# Altium PCB CC_V1.4.PcbDoc (part 3 of 8)
Units mm, origin at the board's own origin, x right, y up, seen from the top; angles counter-clockwise.
Board outline 145 x 123.85 mm, 4 copper layers (Top, GND, Power Plane, Bottom), stack 1.573 mm thick; 334 components, 307 nets, 1570 pads, 1725 vias.
Unrouted connection lines stored in the file: 33.
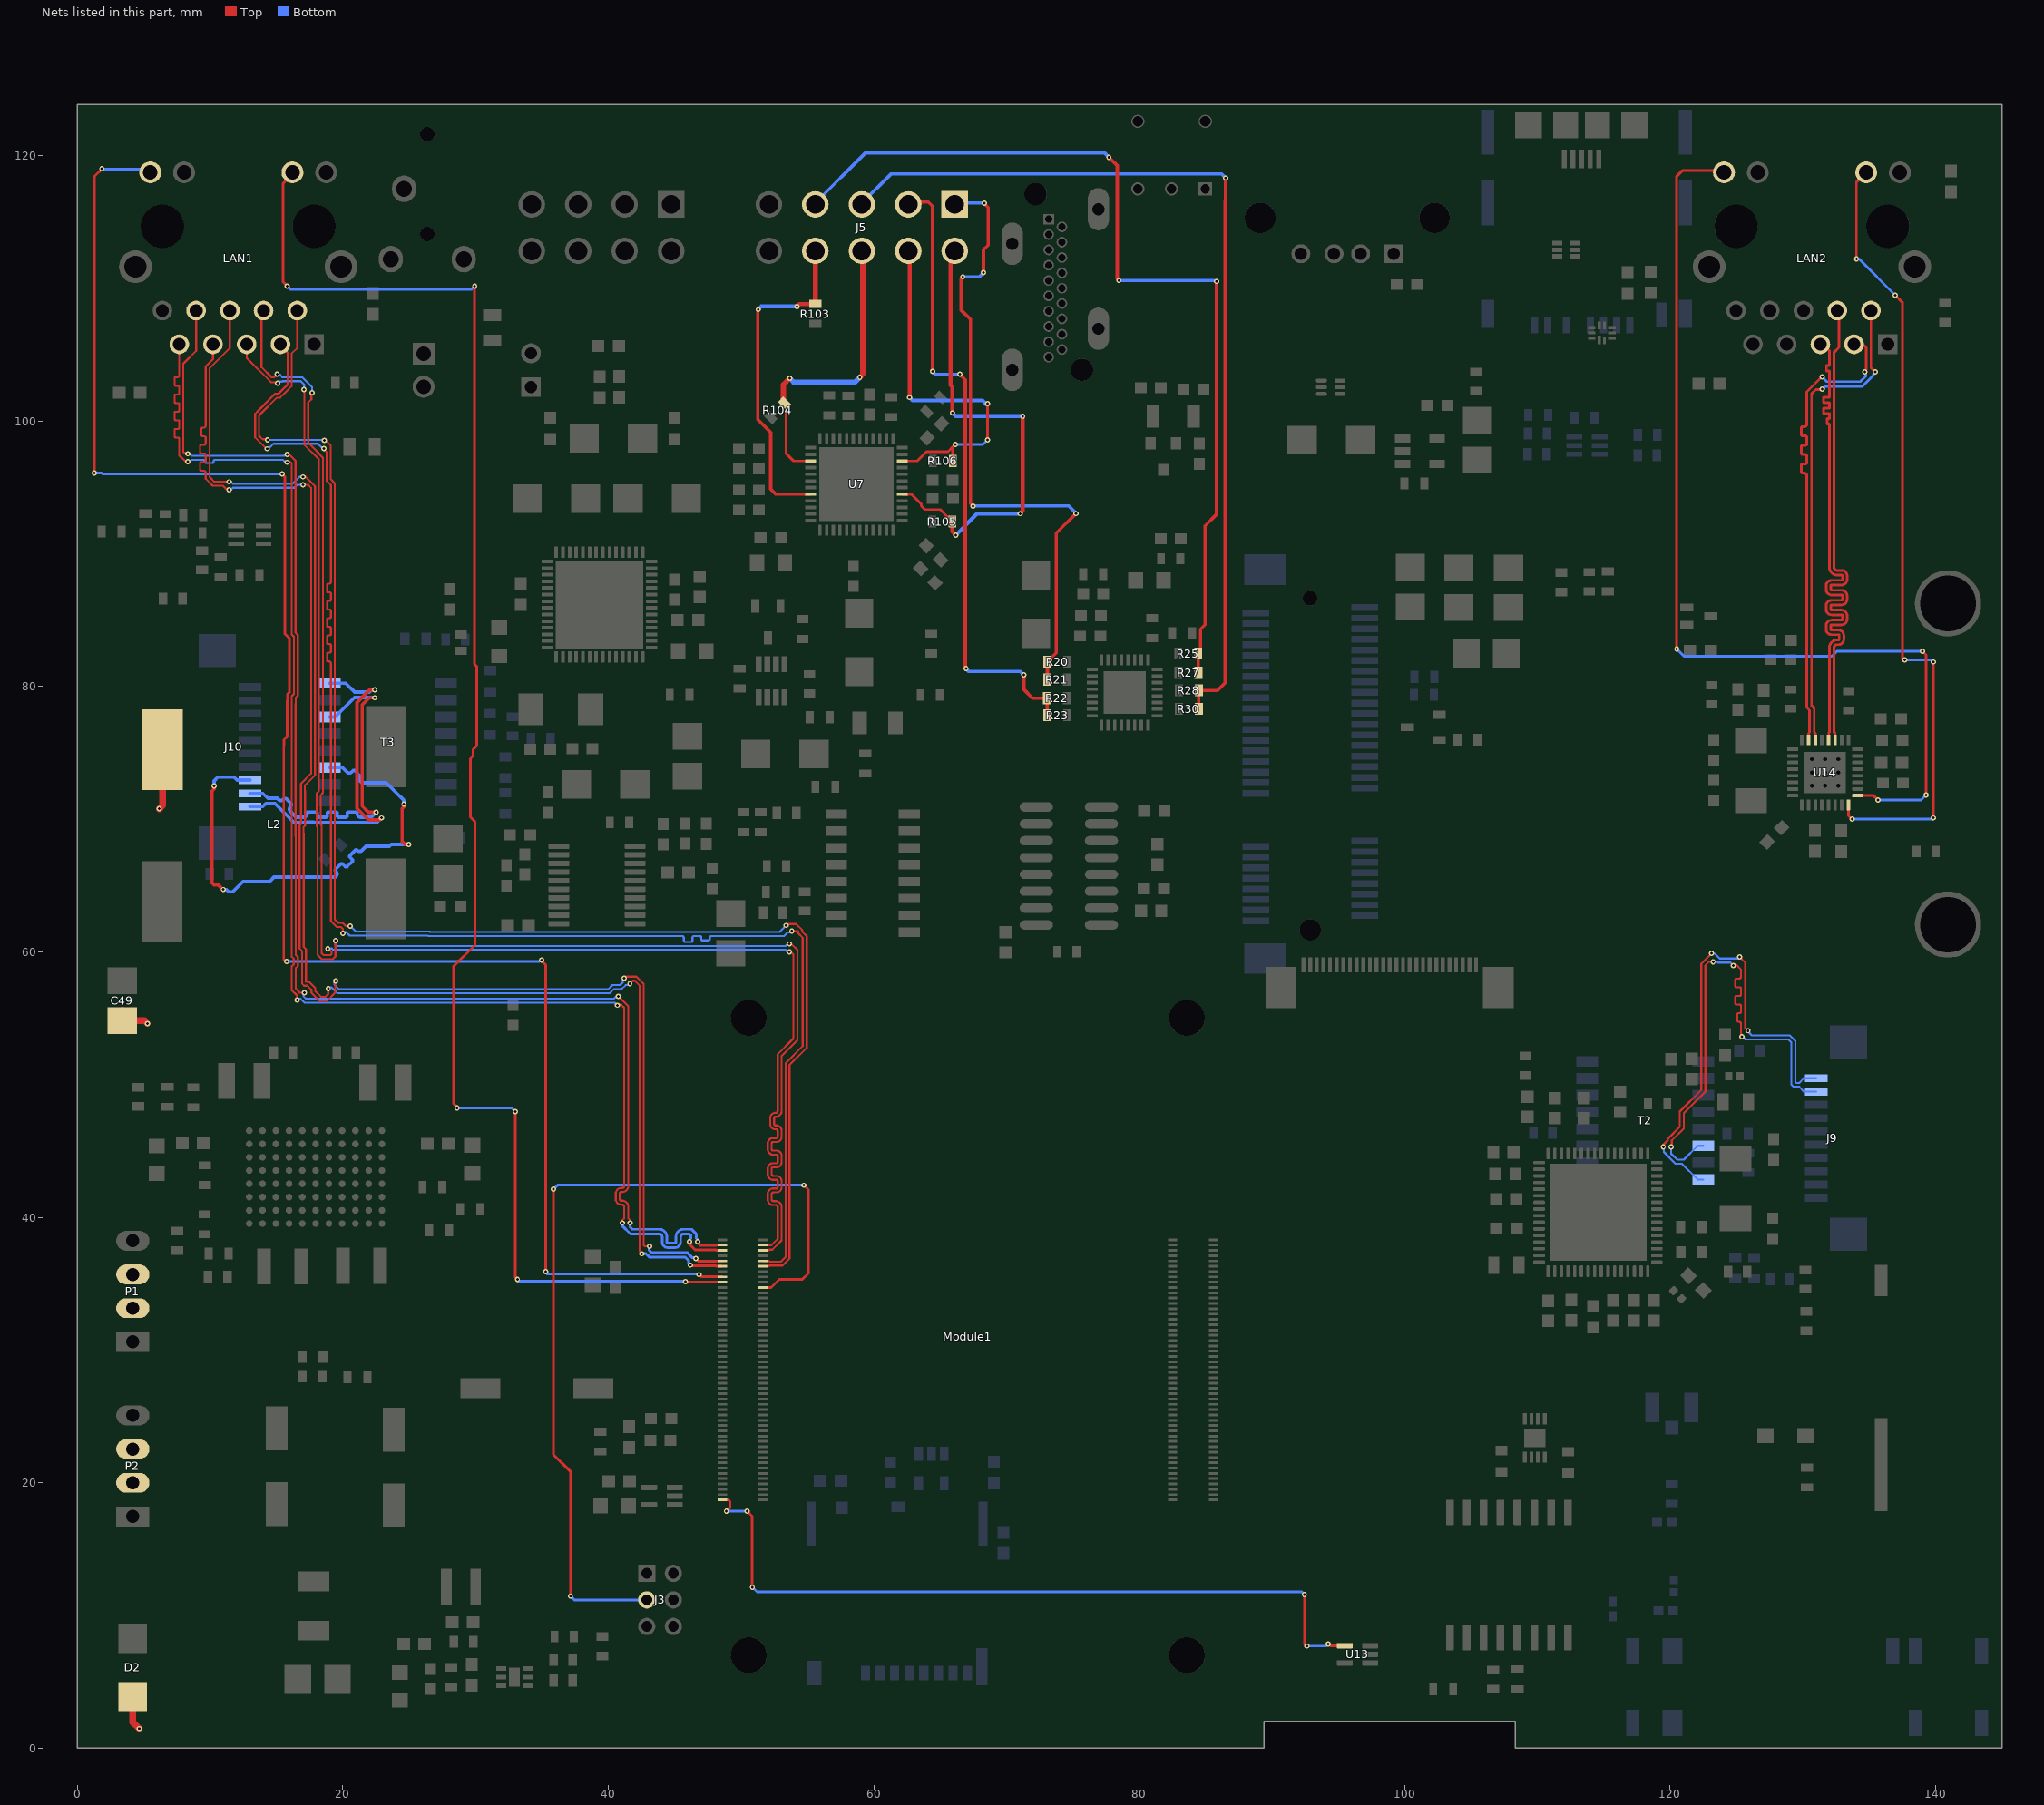
[diagram p5: the nets of this part, all layers, seen from the top]

## Via types
v1: diameter 0.4, hole 0.2, Top to Bottom, 1319 vias
v2: diameter 0.7, hole 0.4, Top to Bottom, 378 vias
v3: diameter 1.27, hole 0.711, Top to Bottom, 28 vias

## Nets (pads, with @x,y where several pads share a name; then routed paths per layer and width w, separated by ;. In a path a pad name is that pad's centre, name@x,y a point inside that pad or via, vN(x,y) a via of type N, cw(c..) or ccw(c..) an arc to the next point about the centre after c; other vN are vias at no path point) (continued)
Coil_RX_LAN2_P: J10.8 T3.11 | length 39.2
  Top w0.254: v1(10.3,72.5) 10.3,72.278 10.127,72.105 10.127,71.576 10.127,66.023 10.127,65.231 10.307,65.051 10.568,65.051 10.609,65.051 10.96,64.7 v1(11,64.7) ; v1(24.6,71.15) 24.6,70.928 24.459,70.788 24.459,70.4 24.459,69.465 24.459,68.34 24.7,68.1 v1(24.975,68.1)
  Bottom w0.254: v1(10.3,72.5) 10.3,72.888 10.584,73.172 11.807,73.172 12.03,72.949 J10.8@13.007,72.949 ; v1(11,64.7) 11.222,64.7 11.395,64.527 11.7,64.527 12.092,64.919 12.473,65.3 14.487,65.3 14.818,65.631 19.014,65.631 19.431,65.631 19.492,65.692 ccw(c19.312,65.871) 19.492,66.051 19.466,66.077 cw(c19.546,66.157) 19.466,66.237 19.839,66.61 cw(c19.919,66.531) 19.999,66.61 20.175,66.434 ccw(c20.255,66.514) 20.335,66.434 20.708,66.808 ccw(c20.628,66.888) 20.708,66.968 20.558,67.117 cw(c20.638,67.197) 20.558,67.277 20.931,67.651 cw(c21.011,67.571) 21.091,67.651 ; T3.11@19.022,73.895 19.971,73.895 20.22,73.647 20.31,73.557 ccw(c20.489,73.736) 20.669,73.557 20.763,73.651 cw(c20.843,73.571) 20.923,73.651 21.296,73.278 cw(c21.216,73.198) 21.296,73.118 ccw(c21.524,73.006) 21.523,72.752 21.787,72.752 21.967,72.752 22.85,72.752 23.267,72.752 23.865,72.154 24.581,71.438 24.581,71.169 v1(24.6,71.15) ; 21.091,67.651 ccw(c21.271,67.83) 21.451,67.651 21.754,67.954 23.506,67.954 23.65,68.098 24.069,68.098 24.075,68.104 24.721,68.104 24.744,68.081 24.956,68.081 v1(24.975,68.1)
Coil_TX_LAN1_N: J9.9 T2.14 | length 37.4
  Top w0.15: v1(120.075,45.315) 120.123,45.363 120.123,45.687 120.125,45.689 120.125,45.798 121.024,46.697 121.024,47.85 122.649,49.475 122.649,58.98 122.931,59.262 123.214,59.262 v1(123.235,59.242) ; v1(124.753,58.971) 124.768,58.986 125.023,58.986 125.25,58.758 125.333,58.675 125.333,58.135 cw(c125.183,58.135) 125.183,57.985 125,57.985 ccw(c125,57.887) 124.902,57.887 124.902,57.432 ccw(c125,57.432) 125,57.335 125.236,57.335 cw(c125.236,57.237) 125.333,57.237 125.333,56.782 cw(c125.236,56.782) 125.236,56.685 125,56.685 ccw(c125,56.587) 124.902,56.587 124.902,56.132 ccw(c125,56.132) 125,56.035 125.236,56.035 cw(c125.236,55.937) 125.333,55.937 125.333,55.482 cw(c125.236,55.482) 125.236,55.385 125.142,55.385 ccw(c125.142,55.287) 125.045,55.287 125.045,54.832 ccw(c125.142,54.832) 125.142,54.735 125.183,54.735 cw(c125.183,54.585) 125.333,54.585 125.333,53.996 125.333,53.814 125.363,53.784 125.363,53.649 v1(125.411,53.601)
  Bottom w0.15: v1(120.075,45.315) 120.075,44.797 120.527,44.345 121.033,44.345 122.078,45.39 T2.14@122.5,45.39 ; v1(123.235,59.242) 123.246,59.253 123.547,59.253 123.601,59.2 124.54,59.2 124.753,58.987 v1(124.753,58.971) ; v1(125.411,53.601) 125.478,53.601 125.677,53.402 128.902,53.402 129.125,53.179 129.125,49.999 129.298,49.826 129.719,49.826 130.069,49.476 J9.9@130.994,49.476
Coil_TX_LAN1_P: J9.10 T2.16 | length 37.2
  Top w0.15: v1(119.475,45.315) 119.523,45.363 119.523,45.511 119.825,45.813 119.825,45.922 120.724,46.821 120.724,47.974 122.349,49.599 122.349,59.104 123.118,59.873 v1(123.118,59.907) ; v1(125.233,59.624) 125.633,59.224 125.633,54.29 125.86,54.064 v1(125.862,54.064)
  Bottom w0.15: v1(119.475,45.315) 119.523,45.267 119.523,44.925 120.402,44.045 120.882,44.045 122.078,42.85 T2.16@122.5,42.85 ; v1(123.118,59.907) 123.165,59.859 123.365,59.859 123.725,59.5 v1@125.175,59.5 ; v1(125.862,54.064) 125.862,53.996 125.978,53.881 125.978,53.878 126.154,53.702 129.026,53.702 129.425,53.303 129.425,50.214 129.513,50.126 129.719,50.126 130.069,50.476 J9.10@130.994,50.476
Coil_TX_LAN2_N: J10.9 T3.14 | length 26.6
  Top w0.254: v1(22.4,79.15) 21.993,79.15 21.465,78.622 21.465,70.985 21.925,70.525 v1(22.5,70.525)
  Bottom w0.254: J10.9@13.007,71.949 13.984,71.949 14.357,71.576 15.067,71.576 15.157,71.486 ccw(c15.337,71.666) 15.516,71.486 15.57,71.54 cw(c15.65,71.46) 15.73,71.54 16.103,71.167 cw(c16.023,71.087) 16.103,71.007 16.05,70.953 ccw(c16.229,70.773) 16.05,70.594 16.489,70.154 16.726,70.154 16.936,70.154 17.146,70.154 17.243,70.251 ccw(c17.063,70.43) 17.317,70.43 17.317,70.437 cw(c17.43,70.437) 17.43,70.55 17.958,70.55 cw(c17.958,70.437) 18.071,70.437 18.071,70.267 ccw(c18.184,70.267) 18.184,70.154 18.712,70.154 ccw(c18.712,70.267) 18.825,70.267 18.825,70.437 cw(c18.938,70.437) 18.938,70.55 19.466,70.55 cw(c19.466,70.437) 19.579,70.437 19.579,70.267 ccw(c19.692,70.267) 19.692,70.154 20.22,70.154 ccw(c20.22,70.267) 20.333,70.267 20.333,70.437 cw(c20.446,70.437) 20.446,70.55 20.974,70.55 cw(c20.974,70.437) 21.087,70.437 21.087,70.408 ccw(c21.341,70.408) 21.341,70.154 21.634,70.154 21.761,70.154 22.129,70.154 v1(22.5,70.525) ; T3.14@19.022,77.705 19.418,77.705 20.886,79.173 22.155,79.173 22.178,79.15 v1(22.4,79.15)
Coil_TX_LAN2_P: J10.10 T3.16 | length 26.5
  Top w0.254: v1(22.4,79.75) 22.022,79.75 21.061,78.789 21.061,70.818 21.935,69.944 22.768,69.944 v1(22.924,70.101)
  Bottom w0.254: J10.10@13.007,70.949 13.984,70.949 14.207,71.172 14.9,71.172 16.322,69.75 17.313,69.75 17.329,69.766 17.811,69.766 17.827,69.75 20.467,69.75 22.574,69.75 v1(22.924,70.101) ; T3.16@19.022,80.245 20.222,80.245 20.89,79.577 22.005,79.577 22.178,79.75 v1(22.4,79.75)
DI1: J5.1 R20.1 R21.1 | length 48.6
  Top w0.254: v1(66.707,110.867) 66.59,110.75 66.59,108.36 67.298,107.652 67.298,103.273 67.298,102.188 67.294,102.184 67.294,93.781 v1(67.475,93.6) ; v1(68.263,111.18) 68.263,112.911 68.617,113.265 68.617,116.094 68.34,116.37 v1(68.34,116.41) ; R21.1@73.058,80.521 73.083,80.546 R20.1@73.083,81.867 73.75,82.534 73.75,91.55 v1(75.225,93.025)
  Bottom w0.254: J5.1@66.1,116.43 68.32,116.43 v1(68.34,116.41) ; v1(66.707,110.867) 67.95,110.867 v1(68.263,111.18) ; v1(67.475,93.6) 67.478,93.603 74.697,93.603 75.275,93.025 v1(75.225,93.025)
DI2: J5.2 R22.1 R23.1 | length 48
  Top w0.254: J5.2@62.092,116.53 J5.2@62.165,116.602 ; J5.2@62.673,116.503 64.117,116.503 64.425,116.195 v1(64.425,103.75) v1@64.35,103.825 ; v1(66.475,103.525) 66.894,103.106 66.894,102.355 66.89,102.351 66.89,81.41 v1(66.95,81.35) ; v1(71.3,80.875) 71.3,79.783 71.959,79.124 R22.1@73.056,79.124 73.056,77.855 R23.1@73.083,77.828
  Bottom w0.254: v1(64.425,103.75) 64.65,103.525 v1(66.475,103.525) ; v1(66.95,81.35) 67.175,81.125 71.05,81.125 v1(71.3,80.875)
DI3: J5.3 R28.2 R30.2 | length 70.1
  Top w0.254: R30.2@84.489,78.311 84.488,78.312 R28.2@84.488,79.708 85.908,79.708 86.477,80.277 86.477,116.568 86.515,116.606 v1(86.515,118.318)
  Bottom w0.254: J5.3@59.1,116.43 61.285,118.615 86.218,118.615 v1(86.515,118.318)
DI4: J5.4 R25.2 R27.2 | length 70.9
  Top w0.254: v1(77.712,119.88) 78.34,119.252 78.34,110.75 78.468,110.622 v1(78.468,110.591) ; R27.2@84.462,81.029 84.438,81.053 R25.2@84.438,82.477 84.611,82.65 84.611,84.307 84.96,84.656 84.96,92.11 85.825,92.975 v1(85.825,110.524)
  Bottom w0.254: J5.4@55.6,116.43 59.378,120.207 77.385,120.207 v1(77.712,119.88) ; v1(78.468,110.591) 85.719,110.591 85.785,110.524 v1(85.825,110.524)
DO1: J5.10 R105.1 U7.17 | length 36.8
  Top w0.2: U7.17@62.155,94.493 62.827,94.493 63.577,93.743 63.577,93.614 63.855,93.337 65.008,93.337 65.57,92.775 65.72,92.775 65.92,92.575 R105.1@65.92,92.425 ; 65.92,102.574 65.921,102.575
  Top w0.3: R105.1@65.92,92.425 65.92,91.677 66.17,91.427 v1(66.17,91.4) ; v1(65.92,100.615) 65.92,102.574 65.787,102.709 65.787,112.617 J5.10@66.1,112.93 ; v1(71.023,93.022) 71.023,93.05 71.22,93.246 v1(71.22,100.365)
  Bottom w0.3: v1(65.92,100.615) 66.17,100.365 v1(71.22,100.365) ; v1(66.17,91.4) 67.792,93.022 v1(71.023,93.022)
DO2: J5.9 R106.1 U7.22 | length 28.1
  Top w0.2: J5.9@62.092,113.03 J5.9@62.192,112.93 ; U7.22@62.155,96.993 63.269,96.993 63.969,97.693 65.598,97.693 65.949,98.044 ; R106.1@65.949,96.993 65.949,97.589 65.949,98.044 ; v1(66.134,98.229) 65.949,98.044 ; v1(68.567,98.575) 68.57,98.578 68.57,101.3 v1(68.573,101.302)
  Top w0.3: v1(62.7,101.775) J5.9@62.7,112.83
  Bottom w0.2: v1(66.134,98.229) 68.219,98.229 68.565,98.575 v1(68.567,98.575) ; v1@68.435,101.302 v1(68.573,101.302)
  Bottom w0.3: v1(62.7,101.775) 62.925,101.55 68.187,101.55 v1@68.435,101.302
DO3: J5.8 R104.2 U7.39 | length 23.4
  Top w0.2: R104.2@53.295,101.332 53.401,101.226 53.401,99.653 53.407,99.646 53.407,97.544 53.958,96.993 U7.39@55.246,96.993
  Top w0.4: R104.2@53.295,101.332 53.189,101.438 53.189,102.739 v1(53.675,103.225) ; v1(58.95,103.3) 59.179,103.529 59.179,112.851 J5.8@59.1,112.93
  Bottom w0.4: v1(53.675,103.225) 53.981,102.919 58.569,102.919 v1(58.95,103.3)
DO4: J5.7 R103.2 U7.44 | length 25.7
  Top w0.254: v1@51.263,108.36 51.263,100.115 51.732,99.646 52.234,99.144 52.234,94.869 52.61,94.493 U7.44@55.246,94.493
  Top w0.3: v1(54.209,108.635) 54.209,108.651 54.385,108.827 R103.2@55.6,108.827
  Top w0.4: R103.2@55.6,108.827 J5.7@55.6,112.93
  Bottom w0.3: v1(51.293,108.407) 51.52,108.635 v1(54.209,108.635)
EEPROM_nWP: J3.3 Module1.20 | length 66.7
  Top w0.2: v1(35.875,42.113) 35.875,22.122 37.15,20.847 v1(37.15,11.455) ; Module1.20@51.671,34.71 52.278,34.71 52.885,35.318 54.61,35.318 55.063,35.77 55.063,42.089 v1(54.734,42.418)
  Bottom w0.2: v1(35.875,42.113) 36.18,42.418 v1(54.734,42.418) ; v1(37.15,11.455) 37.43,11.175 J3.3@42.9,11.175
ETH1_D1_N: LAN1.3 Module1.10 | length 116.7
  Top w0.15: v1(14.292,97.914) 14.249,97.914 13.393,98.77 13.393,99.029 13.393,100.547 13.652,100.806 14.577,101.731 14.914,102.068 15.154,102.068 15.84,102.753 15.84,105.146 15.298,105.688 LAN1.3@15.298,106.047 ; v1(18.566,97.932) 18.566,97.864 18.795,97.635 18.795,97.49 18.795,95.482 19.1,95.177 19.1,87.893 cw(c18.95,87.893) 18.95,87.743 18.905,87.743 ccw(c18.905,87.645) 18.807,87.645 18.807,87.19 ccw(c18.905,87.19) 18.905,87.093 19.003,87.093 cw(c19.003,86.995) 19.1,86.995 19.1,86.54 cw(c19.003,86.54) 19.003,86.443 18.905,86.443 ccw(c18.905,86.345) 18.807,86.345 18.807,85.89 ccw(c18.905,85.89) 18.905,85.793 19.003,85.793 cw(c19.003,85.695) 19.1,85.695 19.1,85.24 cw(c19.003,85.24) 19.003,85.143 18.905,85.143 ccw(c18.905,85.045) 18.807,85.045 18.807,84.59 ccw(c18.905,84.59) 18.905,84.493 19.003,84.493 cw(c19.003,84.395) 19.1,84.395 19.1,83.94 cw(c19.003,83.94) 19.003,83.843 18.905,83.843 ccw(c18.905,83.745) 18.807,83.745 18.807,83.29 ccw(c18.905,83.29) 18.905,83.193 19.003,83.193 cw(c19.003,83.095) 19.1,83.095 19.1,82.64 cw(c19.003,82.64) 19.003,82.543 18.905,82.543 ccw(c18.905,82.445) 18.807,82.445 18.807,81.99 ccw(c18.905,81.99) 18.905,81.893 18.95,81.893 cw(c18.95,81.743) 19.1,81.743 19.1,81.667 19.1,62.325 19.542,61.883 19.858,61.883 20.001,61.741 v1(20.001,61.403) ; Module1.10@51.671,36.71 52.096,36.71 52.146,36.66 53,36.66 53.359,37.02 53.359,51.609 54.65,52.899 54.65,58.878 54.646,58.882 54.646,59.568 54.65,59.572 54.65,61.066 54.314,61.403 54.314,61.521 54.26,61.575 v1(53.825,61.575)
  Bottom w0.15: v1(14.292,97.914) 14.36,97.914 14.506,98.06 14.541,98.06 14.77,98.289 18.127,98.289 18.399,98.017 18.413,98.017 18.498,97.932 v1(18.566,97.932) ; v1(20.001,61.403) 20.086,61.488 20.263,61.488 20.52,61.231 20.746,61.231 24.704,61.231 26.412,61.231 26.447,61.196 44.821,61.196 45.546,61.196 cw(c45.546,61.046) 45.696,61.046 45.696,60.847 ccw(c45.794,60.847) 45.794,60.75 46.249,60.75 ccw(c46.249,60.847) 46.346,60.847 46.346,61.098 cw(c46.444,61.098) 46.444,61.196 46.899,61.196 cw(c46.899,61.098) 46.996,61.098 46.996,60.965 ccw(c47.094,60.965) 47.094,60.868 47.549,60.868 ccw(c47.549,60.965) 47.646,60.965 47.646,61.046 cw(c47.796,61.046) 47.796,61.196 52.801,61.196 53.234,61.196 53.508,61.47 53.72,61.47 v1(53.825,61.575)
ETH1_D1_P: LAN1.2 Module1.12 | length 116.3
  Top w0.15: v1(14.322,98.589) 14.274,98.637 13.95,98.637 13.693,98.895 13.693,100.422 15.038,101.768 15.279,101.768 15.608,102.097 16.14,102.629 16.14,102.928 16.14,105.082 16.568,105.51 LAN1.2@16.568,108.587 ; v1(18.618,98.546) 18.686,98.546 18.771,98.461 18.785,98.461 19.095,98.151 19.095,95.606 19.4,95.301 19.4,81.667 19.4,62.449 19.666,62.183 19.983,62.183 20.213,61.953 v1(20.551,61.953) ; Module1.12@51.671,36.31 52.096,36.31 52.146,36.36 53.124,36.36 53.659,36.896 53.659,51.484 54.95,52.775 54.95,59.002 54.946,59.006 54.946,59.444 54.95,59.448 54.95,61.19 54.614,61.527 54.614,61.646 54.155,62.104 53.505,62.104 v1(53.401,61.999)
  Bottom w0.15: v1(14.322,98.589) 14.77,98.589 16.101,98.589 18.372,98.589 18.401,98.56 18.603,98.56 v1(18.618,98.546) ; v1(20.551,61.953) 20.973,61.531 26.536,61.531 26.571,61.496 52.897,61.496 v1(53.401,61.999)
ETH1_D2_N: LAN1.5 Module1.6 | length 116.3
  Top w0.15: LAN1.5@12.758,106.047 12.758,104.759 14.589,102.928 14.874,102.928 14.905,102.897 15.039,102.897 v1(15.087,102.849) ; v1(17.079,102.379) 17.105,102.353 17.105,101.519 17.095,101.509 17.095,98.223 18.195,97.123 18.195,95.234 18.207,95.221 18.207,72.117 18.025,71.934 18.025,69.478 18.099,69.404 18.099,59.777 18.426,59.45 19.249,59.45 19.451,59.652 v1(19.451,60.853) ; Module1.6@51.671,37.51 52.096,37.51 52.146,37.56 52.361,37.56 53.059,38.259 53.059,38.651 53.059,40.776 ccw(c52.609,40.776) 52.609,41.226 52.411,41.226 cw(c52.411,41.323) 52.313,41.323 52.313,41.778 cw(c52.411,41.778) 52.411,41.876 52.662,41.876 ccw(c52.662,42.273) 53.059,42.273 53.059,42.728 ccw(c52.662,42.728) 52.662,43.126 52.411,43.126 cw(c52.411,43.223) 52.313,43.223 52.313,43.678 cw(c52.411,43.678) 52.411,43.776 52.662,43.776 ccw(c52.662,44.173) 53.059,44.173 53.059,44.628 ccw(c52.662,44.628) 52.662,45.026 52.411,45.026 cw(c52.411,45.123) 52.313,45.123 52.313,45.578 cw(c52.411,45.578) 52.411,45.676 52.662,45.676 ccw(c52.662,46.073) 53.059,46.073 53.059,46.528 ccw(c52.662,46.528) 52.662,46.926 52.594,46.926 cw(c52.594,47.023) 52.496,47.023 52.496,47.478 cw(c52.594,47.478) 52.594,47.576 52.609,47.576 ccw(c52.609,48.026) 53.059,48.026 53.059,51.125 53.059,52.159 54.25,53.35 54.25,60.148 53.798,60.6 v1(53.65,60.6)
  Bottom w0.15: v1(15.087,102.849) 15.155,102.849 15.281,102.975 15.43,102.975 15.458,103.002 16.835,103.002 17.092,102.746 17.092,102.392 v1(17.079,102.379) ; v1(19.451,60.853) 19.437,60.839 19.437,60.538 19.525,60.45 53.352,60.45 53.502,60.6 v1(53.65,60.6)
ETH1_D2_P: LAN1.4 Module1.4 | length 116.3
  Top w0.15: LAN1.4@14.028,108.587 13.878,108.437 13.878,104.063 14.638,103.302 14.815,103.302 v1(15.04,103.527) ; v1(17.677,102.141) 17.634,102.097 17.634,101.633 17.405,101.404 17.405,101.395 17.395,101.385 17.395,98.373 18.056,97.712 18.056,97.693 18.495,97.254 18.495,95.358 18.507,95.345 18.507,71.993 18.325,71.81 18.325,69.602 18.399,69.528 18.399,59.901 18.55,59.75 19.063,59.75 19.151,59.838 19.151,60.028 19.051,60.127 19.045,60.127 18.932,60.241 v1(18.864,60.241) ; Module1.4@51.671,37.91 52.287,37.91 52.759,38.383 52.759,38.651 52.759,40.776 ccw(c52.609,40.776) 52.609,40.926 52.411,40.926 cw(c52.411,41.323) 52.013,41.323 52.013,41.778 cw(c52.411,41.778) 52.411,42.176 52.662,42.176 ccw(c52.662,42.273) 52.759,42.273 52.759,42.728 ccw(c52.662,42.728) 52.662,42.826 52.411,42.826 cw(c52.411,43.223) 52.013,43.223 52.013,43.678 cw(c52.411,43.678) 52.411,44.076 52.662,44.076 ccw(c52.662,44.173) 52.759,44.173 52.759,44.628 ccw(c52.662,44.628) 52.662,44.726 52.411,44.726 cw(c52.411,45.123) 52.013,45.123 52.013,45.578 cw(c52.411,45.578) 52.411,45.976 52.662,45.976 ccw(c52.662,46.073) 52.759,46.073 52.759,46.528 ccw(c52.662,46.528) 52.662,46.626 52.594,46.626 cw(c52.594,47.023) 52.196,47.023 52.196,47.478 cw(c52.594,47.478) 52.594,47.876 52.609,47.876 ccw(c52.609,48.026) 52.759,48.026 52.759,51.125 52.759,52.284 53.95,53.474 53.95,59.8 53.75,60 v1(53.65,60)
  Bottom w0.15: v1(15.04,103.527) 15.088,103.48 15.28,103.48 15.458,103.302 16.96,103.302 17.677,102.585 v1(17.677,102.141) ; v1(18.864,60.241) 18.875,60.252 19.176,60.252 19.279,60.15 53.352,60.15 53.502,60 v1(53.65,60)
ETH1_D3_N: LAN1.7 Module1.9 | length 113.9
  Top w0.15: LAN1.7@10.218,106.047 10.218,105.053 10.218,104.66 9.67,104.112 9.67,99.655 cw(c9.52,99.655) 9.52,99.505 9.444,99.505 ccw(c9.444,99.408) 9.346,99.408 9.346,98.953 ccw(c9.444,98.953) 9.444,98.855 9.572,98.855 cw(c9.572,98.758) 9.67,98.758 9.67,98.303 cw(c9.572,98.303) 9.572,98.205 9.348,98.205 ccw(c9.348,98.108) 9.25,98.108 9.25,97.653 ccw(c9.348,97.653) 9.348,97.555 9.572,97.555 cw(c9.572,97.458) 9.67,97.458 9.67,97.003 cw(c9.572,97.003) 9.572,96.905 9.348,96.905 ccw(c9.348,96.808) 9.25,96.808 9.25,96.353 ccw(c9.348,96.353) 9.348,96.255 9.52,96.255 cw(c9.52,96.105) 9.67,96.105 9.67,96.03 9.67,95.654 10.201,95.123 10.972,95.123 11.201,94.894 11.349,94.894 v1(11.42,94.823) ; v1(17.013,95.195) 17.385,95.195 17.608,94.972 17.608,73.437 16.846,72.676 16.846,71.989 16.85,71.985 16.85,69.637 16.741,69.528 16.741,68.842 16.75,68.833 16.75,60.251 16.925,60.076 16.925,57.625 17.093,57.457 17.32,57.457 17.63,57.147 17.63,56.92 18.225,56.325 18.824,56.325 19.43,56.931 19.43,57.782 v1(19.451,57.803) ; v1(41.201,58.024) 41.305,58.129 42.12,58.129 42.667,57.582 42.667,37.89 42.731,37.827 v1(43.102,37.827)
  Top w0.2: v1(46.602,36.902) 46.602,36.858 46.775,36.685 48.116,36.685 48.141,36.71 Module1.9@48.591,36.71
  Bottom w0.15: v1(11.42,94.823) 11.568,94.823 11.718,94.973 16.345,94.973 16.568,95.195 v1(17.013,95.195) ; v1(19.451,57.803) 19.35,57.702 19.35,57.55 19.713,57.187 39.988,57.187 40.306,57.506 40.894,57.506 41.096,57.707 41.096,57.92 v1(41.201,58.024)
  Bottom w0.2: v1(43.102,37.827) 43.072,37.797 43.072,37.522 43.236,37.359 45.929,37.359 46.031,37.256 46.333,36.955 46.549,36.955 v1(46.602,36.902)
ETH1_D3_P: LAN1.6 Module1.11 | length 113.7
  Top w0.15: v1(11.42,95.423) 10.325,95.423 9.97,95.778 9.97,103.988 11.488,105.506 LAN1.6@11.488,108.587 ; v1(17.013,95.795) 17.209,95.795 17.908,95.097 17.908,73.313 17.146,72.552 17.146,72.113 17.15,72.109 17.15,69.513 17.041,69.404 17.041,68.966 17.05,68.957 17.05,60.375 17.225,60.2 17.225,57.757 17.444,57.757 17.93,57.271 17.93,57.044 18.349,56.625 18.7,56.625 18.901,56.826 v1(18.901,57.228) ; v1(41.625,57.6) 41.85,57.825 42,57.825 42.367,57.458 42.367,37.465 42.527,37.305 v1(42.527,37.252)
  Top w0.2: v1(46.176,36.401) 46.241,36.335 48.116,36.335 48.141,36.31 Module1.11@48.591,36.31
  Bottom w0.15: v1(11.42,95.423) 11.568,95.423 11.718,95.273 16.221,95.273 16.743,95.795 v1(17.013,95.795) ; v1(18.901,57.228) 19.011,57.338 19.138,57.338 19.589,56.887 40.112,56.887 40.431,57.206 41.019,57.206 41.308,57.495 41.52,57.495 v1(41.625,57.6)
  Bottom w0.2: v1(42.527,37.252) 42.55,37.275 42.825,37.275 43.091,37.009 45.784,37.009 46.048,36.745 46.048,36.528 v1(46.176,36.401)
ETH1_D4_N: LAN1.9 Module1.5 | length 113.6
  Top w0.15: LAN1.9@7.678,106.047 7.678,104.182 7.678,103.457 cw(c7.528,103.457) 7.528,103.307 7.418,103.307 ccw(c7.418,103.21) 7.32,103.21 7.32,102.755 ccw(c7.418,102.755) 7.418,102.657 7.58,102.657 cw(c7.58,102.56) 7.678,102.56 7.678,102.105 cw(c7.58,102.105) 7.58,102.007 7.418,102.007 ccw(c7.418,101.91) 7.32,101.91 7.32,101.455 ccw(c7.418,101.455) 7.418,101.357 7.58,101.357 cw(c7.58,101.26) 7.678,101.26 7.678,100.805 cw(c7.58,100.805) 7.58,100.707 7.418,100.707 ccw(c7.418,100.61) 7.32,100.61 7.32,100.155 ccw(c7.418,100.155) 7.418,100.057 7.58,100.057 cw(c7.58,99.96) 7.678,99.96 7.678,99.505 cw(c7.58,99.505) 7.58,99.407 7.418,99.407 ccw(c7.418,99.31) 7.32,99.31 7.32,98.855 ccw(c7.418,98.855) 7.418,98.757 7.528,98.757 cw(c7.528,98.607) 7.678,98.607 7.678,97.868 7.678,97.424 8.167,96.935 v1(8.315,96.935) v1@8.463,96.935 ; v1(15.815,96.89) 16.081,96.89 16.141,96.83 16.141,83.926 16.312,83.754 16.312,79.438 16.147,79.272 16.147,78.813 16.141,78.808 16.141,76.117 16.141,68.593 16.15,68.584 16.15,59.648 16.304,59.494 16.304,59.056 16.15,58.902 16.15,57.116 16.551,56.716 v1(16.551,56.378) ; v1(40.677,55.978) 40.724,56.025 40.975,56.025 41.2,55.8 41.2,52.695 41.2,42.354 cw(c41.05,42.354) 41.05,42.204 40.963,42.204 ccw(c40.963,41.807) 40.565,41.807 40.565,41.352 ccw(c40.963,41.352) 40.963,40.954 41.05,40.954 cw(c41.05,40.804) 41.2,40.804 41.2,40.579 41.2,39.929 41.05,39.779 v1(41.05,39.575)
  Top w0.2: v1(46.125,38.15) 46.125,37.967 46.556,37.535 48.116,37.535 48.141,37.51 Module1.5@48.591,37.51
  Bottom w0.15: v1(8.315,96.935) 8.463,96.935 8.613,97.085 8.733,97.085 9.458,97.085 cw(c9.458,96.935) 9.608,96.935 ccw(c9.706,96.935) 9.706,96.837 10.161,96.837 ccw(c10.161,96.935) 10.258,96.935 cw(c10.408,96.935) 10.408,97.085 11.191,97.085 15.472,97.085 15.596,96.961 15.744,96.961 v1(15.815,96.89) ; v1(16.551,56.378) 16.636,56.463 16.813,56.463 17.112,56.164 40.488,56.164 40.674,55.978 v1(40.677,55.978)
  Bottom w0.2: v1(41.05,39.575) 41.05,39.375 41.675,38.75 42.9,38.75 43.853,38.75 cw(c43.853,38.55) 44.053,38.55 44.053,38.164 ccw(c44.508,38.164) 44.508,37.709 44.998,37.709 ccw(c44.998,38.164) 45.453,38.164 45.453,38.55 cw(c45.653,38.55) 45.653,38.75 45.928,38.75 46.125,38.75 46.233,38.642 46.233,38.442 46.125,38.333 v1(46.125,38.15)
ETH1_D4_P: LAN1.8 Module1.3 | length 112.8
  Top w0.15: v1(8.315,97.535) 8.267,97.583 8.061,97.583 7.978,97.667 7.978,104.323 8.948,105.293 LAN1.8@8.948,108.328 ; v1(15.815,97.49) 15.963,97.49 16.441,97.012 16.441,84.05 16.612,83.878 16.612,79.314 16.447,79.148 16.447,78.689 16.441,78.684 16.441,75.993 16.441,68.717 16.45,68.708 16.45,59.772 16.604,59.618 16.604,58.932 16.45,58.778 16.45,57.241 16.763,56.928 v1(17.101,56.928) ; v1(40.75,56.65) 40.774,56.65 41.5,55.924 41.5,52.695 41.5,42.354 cw(c41.05,42.354) 41.05,41.904 40.963,41.904 ccw(c40.963,41.807) 40.865,41.807 40.865,41.352 ccw(c40.963,41.352) 40.963,41.254 41.05,41.254 cw(c41.05,40.804) 41.5,40.804 41.5,40.579 41.5,39.929 41.65,39.779 v1(41.65,39.575)
  Top w0.2: v1(46.725,38.15) 46.725,38.082 46.921,37.885 48.116,37.885 48.141,37.91 Module1.3@48.591,37.91
  Bottom w0.15: v1(8.315,97.535) 8.463,97.535 8.613,97.385 15.562,97.385 15.596,97.419 15.744,97.419 v1(15.815,97.49) ; v1(17.101,56.928) 17.025,56.852 17.025,56.675 17.236,56.464 40.415,56.464 40.601,56.65 v1(40.75,56.65)
  Bottom w0.2: v1(41.65,39.575) 41.65,39.27 41.82,39.1 42.9,39.1 43.853,39.1 cw(c43.853,38.55) 44.403,38.55 44.403,38.164 ccw(c44.508,38.164) 44.508,38.059 44.998,38.059 ccw(c44.998,38.164) 45.103,38.164 45.103,38.55 cw(c45.653,38.55) 45.653,39.1 45.928,39.1 46.27,39.1 46.372,38.997 46.617,38.753 46.617,38.442 46.725,38.333 v1(46.725,38.15)
ETH1_LED_G: LAN1.GK Module1.17 | length 119.1
  Top w0.2: v1(15.815,110.16) 15.815,110.185 15.485,110.515 15.485,117.883 LAN1.GK@16.208,118.605 ; v1(28.603,48.242) 28.67,48.242 28.33,48.583 28.33,58.9 29.95,60.52 29.95,69.817 29.604,70.163 29.604,71.203 29.604,74.565 29.808,74.769 29.808,75.255 30.089,75.536 30.089,81.515 29.92,81.684 29.92,110.148 v1(29.933,110.16) ; v1(32.99,47.965) 32.99,35.48 v1(33.152,35.318) ; v1(45.818,35.163) 45.87,35.11 Module1.17@48.591,35.11
  Bottom w0.2: v1(15.815,110.16) 16.05,109.925 29.697,109.925 v1(29.933,110.16) ; v1(28.603,48.242) 32.712,48.242 v1(32.99,47.965) ; v1@33.193,35.174 45.806,35.174 v1(45.818,35.163)
ETH1_LED_Y: LAN1.YK Module1.15 | length 134.7
  Top w0.2: v1(1.289,96.087) 1.289,118.434 1.843,118.988 v1(1.843,119.015) ; v1(15.43,96.01) 15.624,95.816 15.624,83.983 15.987,83.62 15.987,79.573 15.821,79.407 15.821,78.948 15.816,78.943 15.816,76.251 15.557,75.992 15.557,75.533 15.55,75.527 15.55,59.45 15.775,59.225 v1(15.775,59.275) ; v1(34.975,59.379) 34.975,59.318 35.275,59.018 v1(35.275,35.9) ; v1(46.838,35.683) 47.001,35.52 Module1.15@48.584,35.52
  Bottom w0.2: v1(1.289,96.087) 1.831,96.087 1.889,96.03 14.88,96.03 14.9,96.01 v1(15.43,96.01) ; v1(1.843,119.015) 1.881,118.977 5.259,118.977 LAN1.YK@5.497,118.738 ; LAN1.YK@5.489,119.006 LAN1.YK@5.497,118.997 ; v1@15.829,59.254 15.85,59.275 34.817,59.275 34.921,59.379 v1(34.975,59.379) ; v1(35.275,35.9) 35.275,35.875 35.434,35.716 46.804,35.716 v1(46.838,35.683)
ETH2_LED_G: LAN2.GK U14.32 | length 60.1
  Top w0.2: U14.32@133.425,71.08 133.425,70.25 133.7,69.975 v1(133.7,70) ; v1@134.033,112.298 134.033,118.009 134.762,118.739 LAN2.GK@134.762,118.87 ; v1(136.96,109.482) 137.485,108.957 137.485,98.539 ; 137.485,98.539 137.485,82.19 v1(137.675,82) ; v1(139.825,70.1) 139.825,71.592 139.829,71.596 139.829,72.054 139.825,72.058 v1(139.825,81.85)
  Bottom w0.2: v1(133.7,70) 139.725,70 v1(139.825,70.1) ; v1(134.035,112.21) 134.233,112.21 v1(136.96,109.482) ; v1(137.675,82) 139.725,82 139.85,81.875 v1(139.825,81.85)
ETH2_LED_Y: LAN2.YK U14.1 | length 74.6
  Top w0.2: v1(120.492,82.825) 120.492,118.45 120.913,118.87 LAN2.YK@124.052,118.87 ; U14.1@134.12,71.775 135.325,71.775 v1(135.65,71.45) ; v1(139,82.65) 139.275,82.375 139.275,82.083 139.271,82.079 139.271,71.829 v1(139.275,71.825)
  Bottom w0.2: v1(120.492,82.825) 121.046,82.271 132.182,82.271 132.561,82.65 v1(139,82.65) ; v1(135.65,71.45) 138.9,71.45 v1(139.275,71.825)
ETH_SPI1_N: LAN2.3 U14.15 | length 36.7
  Top w0.2: U14.15@130.425,75.97 130.425,76.475 130.5,76.55 130.5,78.222 130.296,78.426 130.296,95.776 130.296,95.876 ccw(c130.096,95.876) 130.096,96.076 129.986,96.076 cw(c129.986,96.181) 129.881,96.181 129.881,96.671 cw(c129.986,96.671) 129.986,96.776 130.191,96.776 ccw(c130.191,96.881) 130.296,96.881 130.296,97.371 ccw(c130.191,97.371) 130.191,97.476 129.986,97.476 cw(c129.986,97.581) 129.881,97.581 129.881,98.071 cw(c129.986,98.071) 129.986,98.176 130.191,98.176 ccw(c130.191,98.281) 130.296,98.281 130.296,98.771 ccw(c130.191,98.771) 130.191,98.876 129.986,98.876 cw(c129.986,98.981) 129.881,98.981 129.881,99.471 cw(c129.986,99.471) 129.986,99.576 130.096,99.576 ccw(c130.096,99.776) 130.296,99.776 130.296,101.964 130.296,102.199 131.425,103.327 v1(131.446,103.327) ; LAN2.3@133.852,105.92 134.097,105.675 134.633,105.675 134.772,105.536 134.772,103.88 134.662,103.769 v1(134.662,103.715)
  Bottom w0.2: v1(131.446,103.327) 131.801,102.973 134.328,102.973 134.724,103.369 134.724,103.511 134.7,103.535 134.7,103.677 v1(134.662,103.715)
ETH_SPI1_P: LAN2.2 U14.14 | length 36.6
  Top w0.2: U14.14@130.925,75.97 130.925,76.475 130.85,76.55 130.85,78.367 130.646,78.571 130.646,100.498 130.646,100.53 130.646,102.054 130.971,102.379 131.408,102.379 v1(131.446,102.418) ; LAN2.2@135.122,108.46 135.122,104.022 v1(135.441,103.704)
  Bottom w0.2: v1(131.446,102.418) 131.5,102.418 131.705,102.623 134.473,102.623 135.324,103.474 135.324,103.534 135.441,103.65 v1(135.441,103.704)
ETH_SPI2_N: LAN2.5 U14.12 | length 39.9
  Top w0.2: LAN2.5@131.312,105.92 131.384,105.92 132,105.304 132,104.682 132,104.182 131.775,104.182 131.775,103.782 132,103.782 132,101.782 131.565,101.782 131.565,101.382 132,101.382 132,100.982 131.565,100.982 131.565,100.582 132,100.582 132,100.182 131.837,100.182 131.837,99.782 132,99.782 132,94.438 132,91.037 132,90.825 132,90.726 132,88.951 ccw(c132.55,88.951) 132.55,88.401 132.913,88.401 cw(c132.913,88.341) 132.973,88.341 132.973,88.061 cw(c132.913,88.061) 132.913,88.001 132.156,88.001 ccw(c132.156,87.591) 131.746,87.591 131.746,87.311 ccw(c132.156,87.311) 132.156,86.901 132.913,86.901 cw(c132.913,86.841) 132.973,86.841 132.973,86.561 cw(c132.913,86.561) 132.913,86.501 132.156,86.501 ccw(c132.156,86.091) 131.746,86.091 131.746,85.811 ccw(c132.156,85.811) 132.156,85.401 132.913,85.401 cw(c132.913,85.341) 132.973,85.341 132.973,85.061 cw(c132.913,85.061) 132.913,85.001 132.156,85.001 ccw(c132.156,84.591) 131.746,84.591 131.746,84.311 ccw(c132.156,84.311) 132.156,83.901 132.67,83.901 cw(c132.67,83.841) 132.73,83.841 132.73,83.561 cw(c132.67,83.561) 132.67,83.501 132.55,83.501 ccw(c132.55,82.951) 132,82.951 132,81.268 132,76.55 131.945,76.495 131.945,75.99 U14.12@131.925,75.97
ETH_SPI2_P: LAN2.4 U14.11 | length 39.8
  Top w0.2: U14.11@132.425,75.97 132.425,76.475 132.35,76.55 132.35,81.268 132.35,82.951 cw(c132.55,82.951) 132.55,83.151 132.67,83.151 ccw(c132.67,83.561) 133.08,83.561 133.08,83.841 ccw(c132.67,83.841) 132.67,84.251 132.156,84.251 cw(c132.156,84.311) 132.096,84.311 132.096,84.591 cw(c132.156,84.591) 132.156,84.651 132.913,84.651 ccw(c132.913,85.061) 133.323,85.061 133.323,85.341 ccw(c132.913,85.341) 132.913,85.751 132.156,85.751 cw(c132.156,85.811) 132.096,85.811 132.096,86.091 cw(c132.156,86.091) 132.156,86.151 132.913,86.151 ccw(c132.913,86.561) 133.323,86.561 133.323,86.841 ccw(c132.913,86.841) 132.913,87.251 132.156,87.251 cw(c132.156,87.311) 132.096,87.311 132.096,87.591 cw(c132.156,87.591) 132.156,87.651 132.913,87.651 ccw(c132.913,88.061) 133.323,88.061 133.323,88.341 ccw(c132.913,88.341) 132.913,88.751 132.55,88.751 cw(c132.55,88.951) 132.35,88.951 132.35,90.726 132.35,90.825 132.35,91.037 132.35,105.197 132.708,105.555 132.708,108.334 LAN2.4@132.582,108.46
FE: C49.2 D2.2 L2.4 P1.2 P1.3 P2.2 P2.3 | length 10.4
  Top w0.5: C49.2@3.226,54.448 3.381,54.603 C49.2@3.381,55.6 ; C49.2@3.381,54.825 5.063,54.825 v1(5.285,54.603) ; D2.2@4.175,3.875 4.175,1.96 v1(4.66,1.475) ; v1(6.175,70.788) 6.425,71.038 L2.4@6.425,75.23
GLOBAL_EN: Module1.99 U13.4 | length 57.7
  Top w0.2: Module1.99@48.591,18.71 49.033,18.71 49.15,18.593 49.15,18.1 v1(48.9,17.85) ; v1(50.468,17.85) 50.825,17.493 50.825,12.15 v1(50.85,12.125) ; v1(92.44,11.57) 92.44,7.873 v1(92.618,7.695) ; v1(94.223,7.85) 94.277,7.85 94.407,7.72 U13.4@95.48,7.72
  Bottom w0.2: v1(48.9,17.85) v1(50.468,17.85) ; v1(50.85,12.125) 51.2,11.775 92.235,11.775 v1(92.44,11.57) ; v1(92.618,7.695) 94.068,7.695 v1(94.223,7.85)